# Altium PCB 键盘.PcbDoc (part 2 of 10)
Units mm, origin at the board's own origin, x right, y up, seen from the top; angles counter-clockwise.
Board outline 100 x 100 mm, 2 copper layers (Top Layer, Bottom Layer); 85 components, 82 nets, 333 pads, 92 vias.
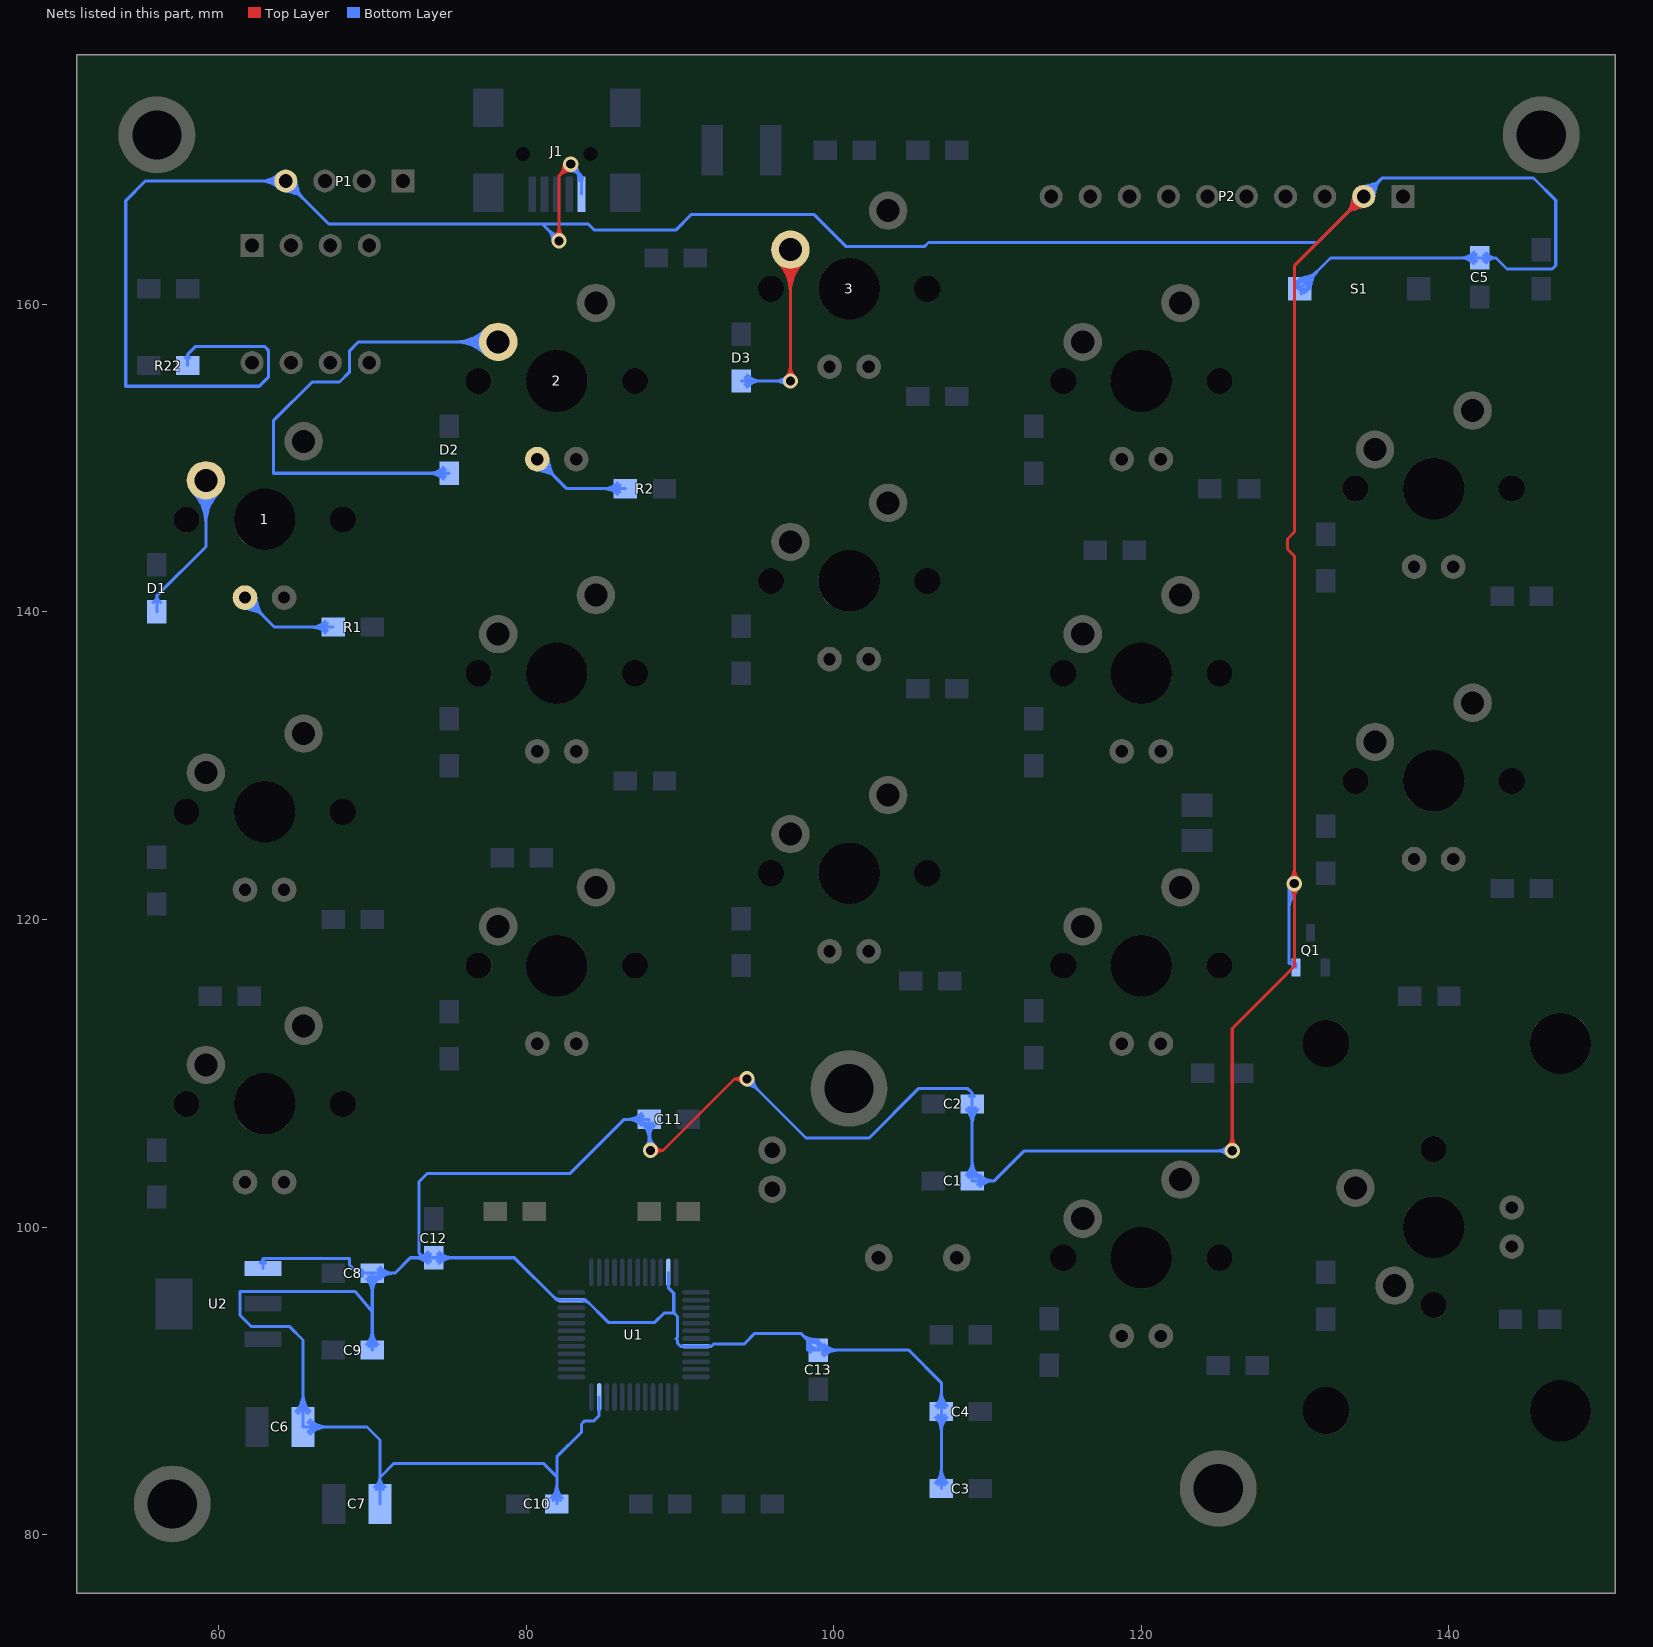
[diagram p2: the nets of this part, all layers, seen from the top]

## Via types
v1: diameter 1, hole 0.6, Top Layer to Bottom Layer, 92 vias

## Nets (pads, with @x,y where several pads share a name; then routed paths per layer and width w, separated by ;. In a path a pad name is that pad's centre, name@x,y a point inside that pad or via, vN(x,y) a via of type N, cw(c..) or ccw(c..) an arc to the next point about the centre after c; other vN are vias at no path point) (continued)
GND: C1.1 C2.1 C3.1 C4.1 C5.1 C6.2 C7.2 C8.1 C9.1 C10.1 C11.1 C12.1 C13.1 J1.5 P1.4 P2.2 Q1.2 R22.1 S1.2 U1.8 U1.23 U1.35 U1.47 U2.1 | length 899.8
  Top Layer w0.2: v1(82.144,164.109) 82.144,168.342 v1@82.861,169.059 ; v1(82.9,169.098) v1@82.861,169.059 ; v1(88.087,104.978) 88.9,104.978 ; v1(94.361,109.626) 93.548,109.626 ; v1(125.908,104.953) 125.908,112.903 129.946,116.942 v1@129.946,122.225 ; v1(129.946,122.326) 129.946,143.622 129.5,144.069 129.5,144.731 129.946,145.178 129.946,162.486 P2.2@134.46,167 ; v1@81.861,164.392 ccw(c81.178,165.075) 82.144,165.075 ; v1@81.861,164.392 ccw(c81.178,165.075) 82.144,165.075 ; v1@81.861,164.392 ccw(c81.178,165.075) 82.144,165.075 ; 82.144,165.075 ccw(c83.109,165.075) v1@82.426,164.392 ; 82.144,165.075 ccw(c83.109,165.075) v1@82.426,164.392 ; 82.144,165.075 ccw(c83.109,165.075) v1@82.426,164.392 ; 82.178,168.376 cw(c82.861,167.694) v1@82.861,168.659 ; 82.178,168.376 ccw(c81.495,169.059) v1@82.461,169.059 ; 82.178,168.376 cw(c82.861,167.694) v1@82.861,168.659 ; 82.178,168.376 ccw(c81.495,169.059) v1@82.461,169.059 ; 82.178,168.376 cw(c82.861,167.694) v1@82.861,168.659 ; 82.178,168.376 ccw(c81.495,169.059) v1@82.461,169.059 ; 82.326,168.555 cw(c83.001,168.374) v1@82.861,169.059 ; 82.326,168.555 cw(c83.001,168.374) v1@82.861,169.059 ; 82.326,168.555 cw(c83.001,168.374) v1@82.861,169.059 ; 82.357,168.524 ccw(c82.176,169.2) v1@82.861,169.059 ; 82.357,168.524 ccw(c82.176,169.2) v1@82.861,169.059 ; 82.357,168.524 ccw(c82.176,169.2) v1@82.861,169.059 ; v1@88.404,104.734 cw(c88.9,104.352) 88.9,104.978 ; v1@88.404,104.734 cw(c88.9,104.352) 88.9,104.978 ; v1@88.404,104.734 cw(c88.9,104.352) 88.9,104.978 ; v1@88.404,105.222 ccw(c88.9,105.604) 88.9,104.978 ; v1@88.404,105.222 ccw(c88.9,105.604) 88.9,104.978 ; v1@88.404,105.222 ccw(c88.9,105.604) 88.9,104.978 ; 88.9,104.978 93.548,109.626 ; 93.548,109.626 cw(c93.548,109.001) v1@94.044,109.382 ; 93.548,109.626 ccw(c93.548,110.252) v1@94.044,109.87 ; 93.548,109.626 cw(c93.548,109.001) v1@94.044,109.382 ; 93.548,109.626 ccw(c93.548,110.252) v1@94.044,109.87 ; 93.548,109.626 cw(c93.548,109.001) v1@94.044,109.382 ; 93.548,109.626 ccw(c93.548,110.252) v1@94.044,109.87 ; v1@125.625,105.236 ccw(c124.942,105.918) 125.908,105.918 ; v1@125.625,105.236 ccw(c124.942,105.918) 125.908,105.918 ; v1@125.625,105.236 ccw(c124.942,105.918) 125.908,105.918 ; 125.908,105.918 ccw(c126.873,105.918) v1@126.191,105.236 ; 125.908,105.918 ccw(c126.873,105.918) v1@126.191,105.236 ; 125.908,105.918 ccw(c126.873,105.918) v1@126.191,105.236 ; v1@129.664,122.044 cw(c128.981,121.361) 129.946,121.361 ; v1@129.664,122.044 cw(c128.981,121.361) 129.946,121.361 ; v1@129.664,122.044 cw(c128.981,121.361) 129.946,121.361 ; v1@129.664,122.609 ccw(c128.981,123.292) 129.946,123.292 ; v1@129.664,122.609 ccw(c128.981,123.292) 129.946,123.292 ; v1@129.664,122.609 ccw(c128.981,123.292) 129.946,123.292 ; 129.946,121.361 cw(c130.912,121.361) v1@130.229,122.044 ; 129.946,121.361 cw(c130.912,121.361) v1@130.229,122.044 ; 129.946,121.361 cw(c130.912,121.361) v1@130.229,122.044 ; 129.946,123.292 ccw(c130.912,123.292) v1@130.229,122.609 ; 129.946,123.292 ccw(c130.912,123.292) v1@130.229,122.609 ; 129.946,123.292 ccw(c130.912,123.292) v1@130.229,122.609 ; 133.35,165.89 cw(c134.46,164.781) P2.2@134.46,166.35 ; 133.35,165.89 ccw(c132.241,167) P2.2@133.81,167 ; 133.35,165.89 cw(c134.46,164.781) P2.2@134.46,166.35 ; 133.35,165.89 ccw(c132.241,167) P2.2@133.81,167 ; 133.35,165.89 cw(c134.46,164.781) P2.2@134.46,166.35 ; 133.35,165.89 ccw(c132.241,167) P2.2@133.81,167 ; 133.653,166.416 cw(c134.633,166.153) P2.2@134.43,167.147 ; 133.653,166.416 cw(c134.633,166.153) P2.2@134.43,167.147 ; 133.653,166.416 cw(c134.633,166.153) P2.2@134.43,167.147 ; 133.692,166.232 cw(c134.46,165.464) P2.2@134.46,166.55 ; 133.692,166.232 ccw(c132.924,167) P2.2@134.01,167 ; 133.692,166.232 cw(c134.46,165.464) P2.2@134.46,166.55 ; 133.692,166.232 ccw(c132.924,167) P2.2@134.01,167 ; 133.692,166.232 cw(c134.46,165.464) P2.2@134.46,166.55 ; 133.692,166.232 ccw(c132.924,167) P2.2@134.01,167 ; 133.737,166.728 cw(c134.561,166.507) P2.2@134.39,167.343 ; 133.737,166.728 cw(c134.561,166.507) P2.2@134.39,167.343 ; 133.737,166.728 cw(c134.561,166.507) P2.2@134.39,167.343 ; 133.875,166.495 cw(c134.468,166.336) P2.2@134.461,166.95 ; 133.875,166.495 cw(c134.468,166.336) P2.2@134.461,166.95 ; 133.875,166.495 cw(c134.468,166.336) P2.2@134.461,166.95 ; 133.876,166.193 ccw(c133.613,167.173) P2.2@134.607,166.97 ; 133.876,166.193 ccw(c133.613,167.173) P2.2@134.607,166.97 ; 133.876,166.193 ccw(c133.613,167.173) P2.2@134.607,166.97 ; 133.955,166.415 ccw(c133.796,167.008) P2.2@134.41,167.001 ; 133.955,166.415 ccw(c133.796,167.008) P2.2@134.41,167.001 ; 133.955,166.415 ccw(c133.796,167.008) P2.2@134.41,167.001 ; 134.188,166.277 ccw(c133.967,167.101) P2.2@134.803,166.93 ; 134.188,166.277 ccw(c133.967,167.101) P2.2@134.803,166.93 ; 134.188,166.277 ccw(c133.967,167.101) P2.2@134.803,166.93
  Bottom Layer w0.2: R22.1@58,156 58,156.73 ; U2.1@62.9,97.3 62.89,97.3 62.89,97.942 ; C9.1@70,92 70,94.488 ; C7.2@70.5,82 70.5,83.718 ; C10.1@82,82 82,83.76 ; v1(82.9,169.098) v1@82.861,169.059 ; J1.5@83.6,167.15 83.6,168.32 ; U1.23@84.75,88.95 84.75,87.751 84.38,87.381 83.784,87.381 83.6,87.197 83.6,86.66 82,85.06 82,83.76 ; v1(88.087,104.978) 88,105.065 C11.1@88,107 86.382,107 82.85,103.468 73.558,103.468 73.05,102.96 73.05,98.305 73.355,98 ; U1.47@89.25,97.05 89.25,96.043 89.6,95.693 89.6,94.4 88.969,94.4 ; C3.1@107,83 C4.1@107,88 107,89.875 104.875,92 C13.1@99,92 98.285,92 ; v1(125.908,104.953) 112.395,104.953 110.442,103 C1.1@109,103 C2.1@109,108 109,108.712 ; Q1.2@130.05,116.875 130.05,117.145 129.591,117.145 ; S1.2@130.301,161 132.301,163 C5.1@142,163 143.053,163 ; R22.1@57.833,156.498 ccw(c57.755,156.73) 58,156.73 ; R22.1@57.833,156.498 ccw(c57.755,156.73) 58,156.73 ; R22.1@57.833,156.498 ccw(c57.755,156.73) 58,156.73 ; 58,156.73 ccw(c58.245,156.73) R22.1@58.167,156.498 ; 58,156.73 ccw(c58.245,156.73) R22.1@58.167,156.498 ; 58,156.73 ccw(c58.245,156.73) R22.1@58.167,156.498 ; 58,156.73 58.522,157.251 62.992,157.251 63.246,156.997 63.246,155.245 62.662,154.661 53.975,154.661 53.975,166.726 55.249,168 P1.4@64.38,168 67.178,165.202 81.051,165.202 ; U2.1@62.716,97.655 ccw(c62.567,97.942) 62.89,97.942 ; U2.1@62.716,97.655 ccw(c62.567,97.942) 62.89,97.942 ; U2.1@62.716,97.655 ccw(c62.567,97.942) 62.89,97.942 ; 62.811,168 cw(c62.811,166.431) P1.4@63.92,167.54 ; 62.811,168 ccw(c62.811,169.569) P1.4@63.92,168.46 ; 62.811,168 cw(c62.811,166.431) P1.4@63.92,167.54 ; 62.811,168 ccw(c62.811,169.569) P1.4@63.92,168.46 ; 62.811,168 cw(c62.811,166.431) P1.4@63.92,167.54 ; 62.811,168 ccw(c62.811,169.569) P1.4@63.92,168.46 ; 62.89,97.942 ccw(c63.199,97.942) U2.1@63.069,97.663 ; 62.89,97.942 ccw(c63.199,97.942) U2.1@63.069,97.663 ; 62.89,97.942 ccw(c63.199,97.942) U2.1@63.069,97.663 ; 62.89,97.942 68.529,97.942 68.529,97.536 69.065,97 ; 63.294,168 cw(c63.294,166.914) P1.4@64.062,167.682 ; 63.294,168 ccw(c63.294,169.086) P1.4@64.062,168.318 ; 63.294,168 cw(c63.294,166.914) P1.4@64.062,167.682 ; 63.294,168 ccw(c63.294,169.086) P1.4@64.062,168.318 ; 63.294,168 cw(c63.294,166.914) P1.4@64.062,167.682 ; 63.294,168 ccw(c63.294,169.086) P1.4@64.062,168.318 ; P1.4@64.037,167.93 ccw(c64.873,168.101) 64.652,167.277 ; P1.4@64.037,167.93 ccw(c64.873,168.101) 64.652,167.277 ; P1.4@64.037,167.93 ccw(c64.873,168.101) 64.652,167.277 ; P1.4@64.233,167.97 ccw(c65.227,168.173) 64.964,167.193 ; P1.4@64.233,167.97 ccw(c65.227,168.173) 64.964,167.193 ; P1.4@64.233,167.97 ccw(c65.227,168.173) 64.964,167.193 ; P1.4@64.38,167.35 cw(c64.38,165.781) 65.49,166.89 ; P1.4@64.38,167.35 cw(c64.38,165.781) 65.49,166.89 ; P1.4@64.38,167.35 cw(c64.38,165.781) 65.49,166.89 ; P1.4@64.38,167.55 cw(c64.38,166.464) 65.148,167.232 ; P1.4@64.38,167.55 cw(c64.38,166.464) 65.148,167.232 ; P1.4@64.38,167.55 cw(c64.38,166.464) 65.148,167.232 ; P1.4@64.41,168.147 cw(c64.207,167.153) 65.187,167.416 ; P1.4@64.41,168.147 cw(c64.207,167.153) 65.187,167.416 ; P1.4@64.41,168.147 cw(c64.207,167.153) 65.187,167.416 ; P1.4@64.45,168.343 cw(c64.279,167.507) 65.103,167.728 ; P1.4@64.45,168.343 cw(c64.279,167.507) 65.103,167.728 ; P1.4@64.45,168.343 cw(c64.279,167.507) 65.103,167.728 ; P1.4@64.83,168 ccw(c65.916,168) 65.148,167.232 ; P1.4@64.83,168 ccw(c65.916,168) 65.148,167.232 ; P1.4@64.83,168 ccw(c65.916,168) 65.148,167.232 ; P1.4@65.03,168 ccw(c66.599,168) 65.49,166.89 ; P1.4@65.03,168 ccw(c66.599,168) 65.49,166.89 ; P1.4@65.03,168 ccw(c66.599,168) 65.49,166.89 ; C6.2@65.04,88.01 ccw(c63.931,89.119) 65.5,89.119 ; C6.2@65.04,88.01 ccw(c63.931,89.119) 65.5,89.119 ; C6.2@65.04,88.01 ccw(c63.931,89.119) 65.5,89.119 ; C6.2@65.182,87.868 ccw(c64.414,88.636) 65.5,88.636 ; C6.2@65.182,87.868 ccw(c64.414,88.636) 65.5,88.636 ; C6.2@65.182,87.868 ccw(c64.414,88.636) 65.5,88.636 ; 65.5,88.636 ccw(c66.586,88.636) C6.2@65.818,87.868 ; 65.5,88.636 ccw(c66.586,88.636) C6.2@65.818,87.868 ; 65.5,88.636 ccw(c66.586,88.636) C6.2@65.818,87.868 ; 65.5,89.119 ccw(c67.069,89.119) C6.2@65.96,88.01 ; 65.5,89.119 ccw(c67.069,89.119) C6.2@65.96,88.01 ; 65.5,89.119 ccw(c67.069,89.119) C6.2@65.96,88.01 ; C6.2@65.818,86.682 cw(c66.586,85.914) 66.586,87 ; C6.2@65.818,86.682 cw(c66.586,85.914) 66.586,87 ; C6.2@65.818,86.682 cw(c66.586,85.914) 66.586,87 ; C6.2@65.818,87.318 ccw(c66.586,88.086) 66.586,87 ; C6.2@65.818,87.318 ccw(c66.586,88.086) 66.586,87 ; C6.2@65.818,87.318 ccw(c66.586,88.086) 66.586,87 ; C6.2@65.96,86.54 cw(c67.069,85.431) 67.069,87 ; C6.2@65.96,86.54 cw(c67.069,85.431) 67.069,87 ; C6.2@65.96,86.54 cw(c67.069,85.431) 67.069,87 ; C6.2@65.96,87.46 ccw(c67.069,88.569) 67.069,87 ; C6.2@65.96,87.46 ccw(c67.069,88.569) 67.069,87 ; C6.2@65.96,87.46 ccw(c67.069,88.569) 67.069,87 ; 69.065,97 cw(c69.065,96.656) C8.1@69.381,96.792 ; 69.065,97 ccw(c69.065,97.344) C8.1@69.381,97.208 ; 69.065,97 cw(c69.065,96.656) C8.1@69.381,96.792 ; 69.065,97 ccw(c69.065,97.344) C8.1@69.381,97.208 ; 69.065,97 cw(c69.065,96.656) C8.1@69.381,96.792 ; 69.065,97 ccw(c69.065,97.344) C8.1@69.381,97.208 ; 69.065,97 C8.1@70,97 ; C9.1@69.629,92.371 ccw(c68.733,93.267) 70,93.267 ; C9.1@69.629,92.371 ccw(c68.733,93.267) 70,93.267 ; C9.1@69.629,92.371 ccw(c68.733,93.267) 70,93.267 ; C8.1@69.629,96.629 cw(c68.733,95.733) 70,95.733 ; C8.1@69.629,96.629 cw(c68.733,95.733) 70,95.733 ; C8.1@69.629,96.629 cw(c68.733,95.733) 70,95.733 ; C9.1@69.77,92.23 ccw(c69.215,92.785) 70,92.785 ; C9.1@69.77,92.23 ccw(c69.215,92.785) 70,92.785 ; C9.1@69.77,92.23 ccw(c69.215,92.785) 70,92.785 ; C8.1@69.77,96.77 cw(c69.215,96.215) 70,96.215 ; C8.1@69.77,96.77 cw(c69.215,96.215) 70,96.215 ; C8.1@69.77,96.77 cw(c69.215,96.215) 70,96.215 ; 70,92.785 ccw(c70.785,92.785) C9.1@70.23,92.23 ; 70,92.785 ccw(c70.785,92.785) C9.1@70.23,92.23 ; 70,92.785 ccw(c70.785,92.785) C9.1@70.23,92.23 ; 70,93.267 ccw(c71.267,93.267) C9.1@70.371,92.371 ; 70,93.267 ccw(c71.267,93.267) C9.1@70.371,92.371 ; 70,93.267 ccw(c71.267,93.267) C9.1@70.371,92.371 ; 70,94.488 68.894,95.8 61.392,95.8 61.392,94.285 62.154,93.523 64.636,93.523 65.5,92.659 C6.2@65.5,87 69.657,87 70.5,86.157 70.5,83.718 ; 70,94.488 C8.1@70,97 ; 70,95.733 cw(c71.267,95.733) C8.1@70.371,96.629 ; 70,95.733 cw(c71.267,95.733) C8.1@70.371,96.629 ; 70,95.733 cw(c71.267,95.733) C8.1@70.371,96.629 ; 70,96.215 cw(c70.785,96.215) C8.1@70.23,96.77 ; 70,96.215 cw(c70.785,96.215) C8.1@70.23,96.77 ; 70,96.215 cw(c70.785,96.215) C8.1@70.23,96.77 ; C8.1@70,97 71.476,97 72.476,98 73.355,98 ; C7.2@70.157,83.102 ccw(c69.775,83.718) 70.5,83.718 ; C7.2@70.157,83.102 ccw(c69.775,83.718) 70.5,83.718 ; C7.2@70.157,83.102 ccw(c69.775,83.718) 70.5,83.718 ; C7.2@70.263,82.932 ccw(c69.998,83.359) 70.5,83.359 ; C7.2@70.263,82.932 ccw(c69.998,83.359) 70.5,83.359 ; C7.2@70.263,82.932 ccw(c69.998,83.359) 70.5,83.359 ; C8.1@70.367,96.77 cw(c70.922,96.215) 70.922,97 ; C8.1@70.367,96.77 cw(c70.922,96.215) 70.922,97 ; C8.1@70.367,96.77 cw(c70.922,96.215) 70.922,97 ; C8.1@70.367,97.23 ccw(c70.922,97.785) 70.922,97 ; C8.1@70.367,97.23 ccw(c70.922,97.785) 70.922,97 ; C8.1@70.367,97.23 ccw(c70.922,97.785) 70.922,97 ; 70.5,83.359 ccw(c71.002,83.359) C7.2@70.737,82.932 ; 70.5,83.359 ccw(c71.002,83.359) C7.2@70.737,82.932 ; 70.5,83.359 ccw(c71.002,83.359) C7.2@70.737,82.932 ; 70.5,83.718 ccw(c71.225,83.718) C7.2@70.843,83.102 ; 70.5,83.718 ccw(c71.225,83.718) C7.2@70.843,83.102 ; 70.5,83.718 ccw(c71.225,83.718) C7.2@70.843,83.102 ; 70.5,83.718 71.415,84.633 81.127,84.633 82,83.76 ; C8.1@70.508,96.629 cw(c71.404,95.733) 71.404,97 ; C8.1@70.508,96.629 cw(c71.404,95.733) 71.404,97 ; C8.1@70.508,96.629 cw(c71.404,95.733) 71.404,97 ; C8.1@70.508,97.371 ccw(c71.404,98.267) 71.404,97 ; C8.1@70.508,97.371 ccw(c71.404,98.267) 71.404,97 ; C8.1@70.508,97.371 ccw(c71.404,98.267) 71.404,97 ; 72.733,98 cw(c72.733,96.733) C12.1@73.629,97.629 ; 72.733,98 ccw(c72.733,99.267) C12.1@73.629,98.371 ; 72.733,98 cw(c72.733,96.733) C12.1@73.629,97.629 ; 72.733,98 ccw(c72.733,99.267) C12.1@73.629,98.371 ; 72.733,98 cw(c72.733,96.733) C12.1@73.629,97.629 ; 72.733,98 ccw(c72.733,99.267) C12.1@73.629,98.371 ; 73.215,98 cw(c73.215,97.215) C12.1@73.77,97.77 ; 73.215,98 ccw(c73.215,98.785) C12.1@73.77,98.23 ; 73.215,98 cw(c73.215,97.215) C12.1@73.77,97.77 ; 73.215,98 ccw(c73.215,98.785) C12.1@73.77,98.23 ; 73.215,98 cw(c73.215,97.215) C12.1@73.77,97.77 ; 73.215,98 ccw(c73.215,98.785) C12.1@73.77,98.23 ; 73.355,98 cw(c73.355,97.867) C12.1@73.486,97.894 ; 73.355,98 ccw(c73.355,98.133) C12.1@73.486,98.106 ; 73.355,98 cw(c73.355,97.867) C12.1@73.486,97.894 ; 73.355,98 ccw(c73.355,98.133) C12.1@73.486,98.106 ; 73.355,98 cw(c73.355,97.867) C12.1@73.486,97.894 ; 73.355,98 ccw(c73.355,98.133) C12.1@73.486,98.106 ; 73.355,98 cw(c73.355,97.867) C12.1@73.486,97.894 ; 73.355,98 ccw(c73.355,98.133) C12.1@73.486,98.106 ; 73.355,98 cw(c73.355,97.867) C12.1@73.486,97.894 ; 73.355,98 ccw(c73.355,98.133) C12.1@73.486,98.106 ; 73.355,98 cw(c73.355,97.867) C12.1@73.486,97.894 ; 73.355,98 ccw(c73.355,98.133) C12.1@73.486,98.106 ; 73.355,98 C12.1@74,98 79.241,98 81.991,95.25 U1.35@82.95,95.25 83.896,95.25 85.346,93.8 88.369,93.8 88.969,94.4 ; C12.1@74.23,97.77 cw(c74.785,97.215) 74.785,98 ; C12.1@74.23,97.77 cw(c74.785,97.215) 74.785,98 ; C12.1@74.23,97.77 cw(c74.785,97.215) 74.785,98 ; C12.1@74.23,98.23 ccw(c74.785,98.785) 74.785,98 ; C12.1@74.23,98.23 ccw(c74.785,98.785) 74.785,98 ; C12.1@74.23,98.23 ccw(c74.785,98.785) 74.785,98 ; C12.1@74.371,97.629 cw(c75.267,96.733) 75.267,98 ; C12.1@74.371,97.629 cw(c75.267,96.733) 75.267,98 ; C12.1@74.371,97.629 cw(c75.267,96.733) 75.267,98 ; C12.1@74.371,98.371 ccw(c75.267,99.267) 75.267,98 ; C12.1@74.371,98.371 ccw(c75.267,99.267) 75.267,98 ; C12.1@74.371,98.371 ccw(c75.267,99.267) 75.267,98 ; 81.051,165.202 84.053,165.202 84.447,164.808 89.726,164.808 90.728,165.81 98.729,165.81 100.809,163.73 105.89,163.73 106.168,164.008 131.468,164.008 P2.2@134.46,167 135.659,168.199 145.491,168.199 146.939,166.751 146.939,162.509 146.71,162.281 143.772,162.281 143.053,163 ; 81.051,165.202 v1(82.144,164.109) ; 81.461,164.792 cw(c80.778,164.109) v1@81.744,164.109 ; 81.461,164.792 ccw(c82.144,165.475) v1@82.144,164.509 ; 81.461,164.792 cw(c80.778,164.109) v1@81.744,164.109 ; 81.461,164.792 ccw(c82.144,165.475) v1@82.144,164.509 ; 81.461,164.792 cw(c80.778,164.109) v1@81.744,164.109 ; 81.461,164.792 ccw(c82.144,165.475) v1@82.144,164.509 ; 81.609,164.613 ccw(c82.284,164.794) v1(82.144,164.109) ; 81.609,164.613 ccw(c82.284,164.794) v1(82.144,164.109) ; 81.609,164.613 ccw(c82.284,164.794) v1(82.144,164.109) ; C10.1@81.629,82.371 ccw(c80.733,83.267) 82,83.267 ; C10.1@81.629,82.371 ccw(c80.733,83.267) 82,83.267 ; C10.1@81.629,82.371 ccw(c80.733,83.267) 82,83.267 ; 81.64,164.644 cw(c81.459,163.969) v1(82.144,164.109) ; 81.64,164.644 cw(c81.459,163.969) v1(82.144,164.109) ; 81.64,164.644 cw(c81.459,163.969) v1(82.144,164.109) ; 81.758,95.483 ccw(c82.2,95.925) U1.35@82.2,95.3 ; 81.758,95.483 ccw(c82.2,95.925) U1.35@82.2,95.3 ; 81.758,95.483 ccw(c82.2,95.925) U1.35@82.2,95.3 ; C10.1@81.77,82.23 ccw(c81.215,82.785) 82,82.785 ; C10.1@81.77,82.23 ccw(c81.215,82.785) 82,82.785 ; C10.1@81.77,82.23 ccw(c81.215,82.785) 82,82.785 ; 82,82.785 ccw(c82.785,82.785) C10.1@82.23,82.23 ; 82,82.785 ccw(c82.785,82.785) C10.1@82.23,82.23 ; 82,82.785 ccw(c82.785,82.785) C10.1@82.23,82.23 ; 82,83.267 ccw(c83.267,83.267) C10.1@82.371,82.371 ; 82,83.267 ccw(c83.267,83.267) C10.1@82.371,82.371 ; 82,83.267 ccw(c83.267,83.267) C10.1@82.371,82.371 ; v1@82.861,168.659 cw(c82.861,167.694) 83.544,168.376 ; v1@82.861,168.659 cw(c82.861,167.694) 83.544,168.376 ; v1@82.861,168.659 cw(c82.861,167.694) 83.544,168.376 ; v1@82.861,169.059 cw(c82.721,168.374) 83.396,168.555 ; v1@82.861,169.059 ccw(c83.546,169.2) 83.365,168.524 ; v1@82.861,169.059 cw(c82.721,168.374) 83.396,168.555 ; v1@82.861,169.059 ccw(c83.546,169.2) 83.365,168.524 ; v1@82.861,169.059 cw(c82.721,168.374) 83.396,168.555 ; v1@82.861,169.059 ccw(c83.546,169.2) 83.365,168.524 ; v1@82.861,169.059 83.6,168.32 ; v1@83.153,168.768 cw(c82.435,168.05) J1.5@83.45,168.05 ; v1@83.153,168.768 cw(c82.435,168.05) J1.5@83.45,168.05 ; v1@83.153,168.768 cw(c82.435,168.05) J1.5@83.45,168.05 ; v1@83.261,169.059 ccw(c84.227,169.059) 83.544,168.376 ; v1@83.261,169.059 ccw(c84.227,169.059) 83.544,168.376 ; v1@83.261,169.059 ccw(c84.227,169.059) 83.544,168.376 ; J1.5@83.401,168.234 ccw(c83.762,168.331) J1.5@83.575,168.007 ; J1.5@83.401,168.234 ccw(c83.762,168.331) J1.5@83.575,168.007 ; J1.5@83.401,168.234 ccw(c83.762,168.331) J1.5@83.575,168.007 ; 83.494,168.426 cw(c83.118,168.05) J1.5@83.65,168.05 ; 83.494,168.426 cw(c83.118,168.05) J1.5@83.65,168.05 ; 83.494,168.426 cw(c83.118,168.05) J1.5@83.65,168.05 ; J1.5@83.521,168.177 ccw(c83.431,168.32) 83.6,168.32 ; J1.5@83.521,168.177 ccw(c83.431,168.32) 83.6,168.32 ; J1.5@83.521,168.177 ccw(c83.431,168.32) 83.6,168.32 ; 83.6,168.32 ccw(c83.769,168.32) J1.5@83.679,168.177 ; 83.6,168.32 ccw(c83.769,168.32) J1.5@83.679,168.177 ; 83.6,168.32 ccw(c83.769,168.32) J1.5@83.679,168.177 ; U1.35@83.7,95.2 cw(c83.7,94.606) 84.12,95.026 ; U1.35@83.7,95.2 cw(c83.7,94.606) 84.12,95.026 ; U1.35@83.7,95.2 cw(c83.7,94.606) 84.12,95.026 ; 86.596,107 cw(c86.596,105.733) C11.1@87.492,106.629 ; 86.596,107 ccw(c86.596,108.267) C11.1@87.492,107.371 ; 86.596,107 cw(c86.596,105.733) C11.1@87.492,106.629 ; 86.596,107 ccw(c86.596,108.267) C11.1@87.492,107.371 ; 86.596,107 cw(c86.596,105.733) C11.1@87.492,106.629 ; 86.596,107 ccw(c86.596,108.267) C11.1@87.492,107.371 ; 87.078,107 cw(c87.078,106.215) C11.1@87.633,106.77 ; 87.078,107 ccw(c87.078,107.785) C11.1@87.633,107.23 ; 87.078,107 cw(c87.078,106.215) C11.1@87.633,106.77 ; 87.078,107 ccw(c87.078,107.785) C11.1@87.633,107.23 ; 87.078,107 cw(c87.078,106.215) C11.1@87.633,106.77 ; 87.078,107 ccw(c87.078,107.785) C11.1@87.633,107.23 ; C11.1@87.629,106.629 cw(c86.733,105.733) 88,105.733 ; C11.1@87.629,106.629 cw(c86.733,105.733) 88,105.733 ; C11.1@87.629,106.629 cw(c86.733,105.733) 88,105.733 ; C11.1@87.77,106.77 cw(c87.215,106.215) 88,106.215 ; C11.1@87.77,106.77 cw(c87.215,106.215) 88,106.215 ; C11.1@87.77,106.77 cw(c87.215,106.215) 88,106.215 ; v1@87.804,105.261 ccw(c87.332,105.733) 88,105.733 ; v1@87.804,105.261 ccw(c87.332,105.733) 88,105.733 ; v1@87.804,105.261 ccw(c87.332,105.733) 88,105.733 ; 88,105.672 ccw(c88.781,105.672) v1@88.229,105.12 ; 88,105.672 ccw(c88.781,105.672) v1@88.229,105.12 ; 88,105.672 ccw(c88.781,105.672) v1@88.229,105.12 ; 88,105.733 cw(c89.267,105.733) C11.1@88.371,106.629 ; 88,105.733 cw(c89.267,105.733) C11.1@88.371,106.629 ; 88,105.733 cw(c89.267,105.733) C11.1@88.371,106.629 ; 88,106.154 ccw(c89.263,106.154) v1@88.37,105.261 ; 88,106.154 ccw(c89.263,106.154) v1@88.37,105.261 ; 88,106.154 ccw(c89.263,106.154) v1@88.37,105.261 ; 88,106.215 cw(c88.785,106.215) C11.1@88.23,106.77 ; 88,106.215 cw(c88.785,106.215) C11.1@88.23,106.77 ; 88,106.215 cw(c88.785,106.215) C11.1@88.23,106.77 ; 88.969,94.4 89.631,94.4 89.85,94.181 89.85,92.819 89.765,92.734 89.84,92.659 89.84,92.456 90.046,92.25 U1.8@91.05,92.25 92.051,92.25 92.201,92.4 94.184,92.4 94.869,93.085 97.86,93.085 ; v1@94.361,109.226 cw(c94.361,108.261) 95.044,108.944 ; v1@94.361,109.226 cw(c94.361,108.261) 95.044,108.944 ; v1@94.361,109.226 cw(c94.361,108.261) 95.044,108.944 ; v1(94.361,109.626) cw(c94.221,108.942) 94.896,109.122 ; v1(94.361,109.626) ccw(c95.046,109.767) 94.865,109.091 ; v1(94.361,109.626) cw(c94.221,108.942) 94.896,109.122 ; v1(94.361,109.626) ccw(c95.046,109.767) 94.865,109.091 ; v1(94.361,109.626) cw(c94.221,108.942) 94.896,109.122 ; v1(94.361,109.626) ccw(c95.046,109.767) 94.865,109.091 ; v1(94.361,109.626) 98.196,105.791 102.301,105.791 105.502,108.991 108.721,108.991 109,108.712 ; v1@94.761,109.626 ccw(c95.727,109.626) 95.044,108.944 ; v1@94.761,109.626 ccw(c95.727,109.626) 95.044,108.944 ; v1@94.761,109.626 ccw(c95.727,109.626) 95.044,108.944 ; 97.86,93.085 ccw(c98.888,94.112) C13.1@98.97,92.661 ; 97.86,93.085 ccw(c98.888,94.112) C13.1@98.97,92.661 ; 97.86,93.085 ccw(c98.888,94.112) C13.1@98.97,92.661 ; 97.86,93.085 98.285,92.659 ; 98.176,92.769 ccw(c98.922,93.515) C13.1@98.982,92.461 ; 98.176,92.769 ccw(c98.922,93.515) C13.1@98.982,92.461 ; 98.176,92.769 ccw(c98.922,93.515) C13.1@98.982,92.461 ; 98.24,92.704 cw(c97.673,92.137) C13.1@98.475,92.137 ; 98.24,92.704 cw(c97.673,92.137) C13.1@98.475,92.137 ; 98.24,92.704 cw(c97.673,92.137) C13.1@98.475,92.137 ; 98.261,92.809 cw(c98.027,91.685) C13.1@99.068,92.169 ; 98.261,92.809 cw(c98.027,91.685) C13.1@99.068,92.169 ; 98.261,92.809 cw(c98.027,91.685) C13.1@99.068,92.169 ; 98.285,92 cw(c98.285,91.776) C13.1@98.499,91.843 ; 98.285,92 ccw(c98.285,92.224) C13.1@98.499,92.157 ; 98.285,92 cw(c98.285,91.776) C13.1@98.499,91.843 ; 98.285,92 ccw(c98.285,92.224) C13.1@98.499,92.157 ; 98.285,92 cw(c98.285,91.776) C13.1@98.499,91.843 ; 98.285,92 ccw(c98.285,92.224) C13.1@98.499,92.157 ; 98.285,92 98.285,92.659 ; 98.285,92.659 cw(c97.823,92.197) C13.1@98.476,92.164 ; 98.285,92.659 ccw(c98.557,92.931) C13.1@98.744,92.595 ; 98.285,92.659 cw(c97.823,92.197) C13.1@98.476,92.164 ; 98.285,92.659 ccw(c98.557,92.931) C13.1@98.744,92.595 ; 98.285,92.659 cw(c97.823,92.197) C13.1@98.476,92.164 ; 98.285,92.659 ccw(c98.557,92.931) C13.1@98.744,92.595 ; 98.355,92.584 ccw(c99.037,92.766) C13.1@98.996,92.062 ; 98.355,92.584 ccw(c99.037,92.766) C13.1@98.996,92.062 ; 98.355,92.584 ccw(c99.037,92.766) C13.1@98.996,92.062 ; C13.1@98.651,92.728 cw(c98.477,91.894) C13.1@99.249,92.253 ; C13.1@98.651,92.728 cw(c98.477,91.894) C13.1@99.249,92.253 ; C13.1@98.651,92.728 cw(c98.477,91.894) C13.1@99.249,92.253 ; C13.1@99.23,91.77 cw(c99.785,91.215) 99.785,92 ; C13.1@99.23,91.77 cw(c99.785,91.215) 99.785,92 ; C13.1@99.23,91.77 cw(c99.785,91.215) 99.785,92 ; C13.1@99.23,92.23 ccw(c99.785,92.785) 99.785,92 ; C13.1@99.23,92.23 ccw(c99.785,92.785) 99.785,92 ; C13.1@99.23,92.23 ccw(c99.785,92.785) 99.785,92 ; C13.1@99.371,91.629 cw(c100.267,90.733) 100.267,92 ; C13.1@99.371,91.629 cw(c100.267,90.733) 100.267,92 ; C13.1@99.371,91.629 cw(c100.267,90.733) 100.267,92 ; C13.1@99.371,92.371 ccw(c100.267,93.267) 100.267,92 ; C13.1@99.371,92.371 ccw(c100.267,93.267) 100.267,92 ; C13.1@99.371,92.371 ccw(c100.267,93.267) 100.267,92 ; C3.1@106.629,83.371 ccw(c105.733,84.267) 107,84.267 ; C3.1@106.629,83.371 ccw(c105.733,84.267) 107,84.267 ; C3.1@106.629,83.371 ccw(c105.733,84.267) 107,84.267 ; C4.1@106.629,87.629 cw(c105.733,86.733) 107,86.733 ; C4.1@106.629,87.629 cw(c105.733,86.733) 107,86.733 ; C4.1@106.629,87.629 cw(c105.733,86.733) 107,86.733 ; C4.1@106.629,88.371 ccw(c105.733,89.267) 107,89.267 ; C4.1@106.629,88.371 ccw(c105.733,89.267) 107,89.267 ; C4.1@106.629,88.371 ccw(c105.733,89.267) 107,89.267 ; C3.1@106.77,83.23 ccw(c106.215,83.785) 107,83.785 ; C3.1@106.77,83.23 ccw(c106.215,83.785) 107,83.785 ; C3.1@106.77,83.23 ccw(c106.215,83.785) 107,83.785 ; C4.1@106.77,87.77 cw(c106.215,87.215) 107,87.215 ; C4.1@106.77,87.77 cw(c106.215,87.215) 107,87.215 ; C4.1@106.77,87.77 cw(c106.215,87.215) 107,87.215 ; C4.1@106.77,88.23 ccw(c106.215,88.785) 107,88.785 ; C4.1@106.77,88.23 ccw(c106.215,88.785) 107,88.785 ; C4.1@106.77,88.23 ccw(c106.215,88.785) 107,88.785 ; 107,83.785 ccw(c107.785,83.785) C3.1@107.23,83.23 ; 107,83.785 ccw(c107.785,83.785) C3.1@107.23,83.23 ; 107,83.785 ccw(c107.785,83.785) C3.1@107.23,83.23 ; 107,84.267 ccw(c108.267,84.267) C3.1@107.371,83.371 ; 107,84.267 ccw(c108.267,84.267) C3.1@107.371,83.371 ; 107,84.267 ccw(c108.267,84.267) C3.1@107.371,83.371 ; 107,86.733 cw(c108.267,86.733) C4.1@107.371,87.629 ; 107,86.733 cw(c108.267,86.733) C4.1@107.371,87.629 ; 107,86.733 cw(c108.267,86.733) C4.1@107.371,87.629 ; 107,87.215 cw(c107.785,87.215) C4.1@107.23,87.77 ; 107,87.215 cw(c107.785,87.215) C4.1@107.23,87.77 ; 107,87.215 cw(c107.785,87.215) C4.1@107.23,87.77 ; 107,88.785 ccw(c107.785,88.785) C4.1@107.23,88.23 ; 107,88.785 ccw(c107.785,88.785) C4.1@107.23,88.23 ; 107,88.785 ccw(c107.785,88.785) C4.1@107.23,88.23 ; 107,89.267 ccw(c108.267,89.267) C4.1@107.371,88.371 ; 107,89.267 ccw(c108.267,89.267) C4.1@107.371,88.371 